# Allegro board IMX28x_TEST_V10A.brd (continued)
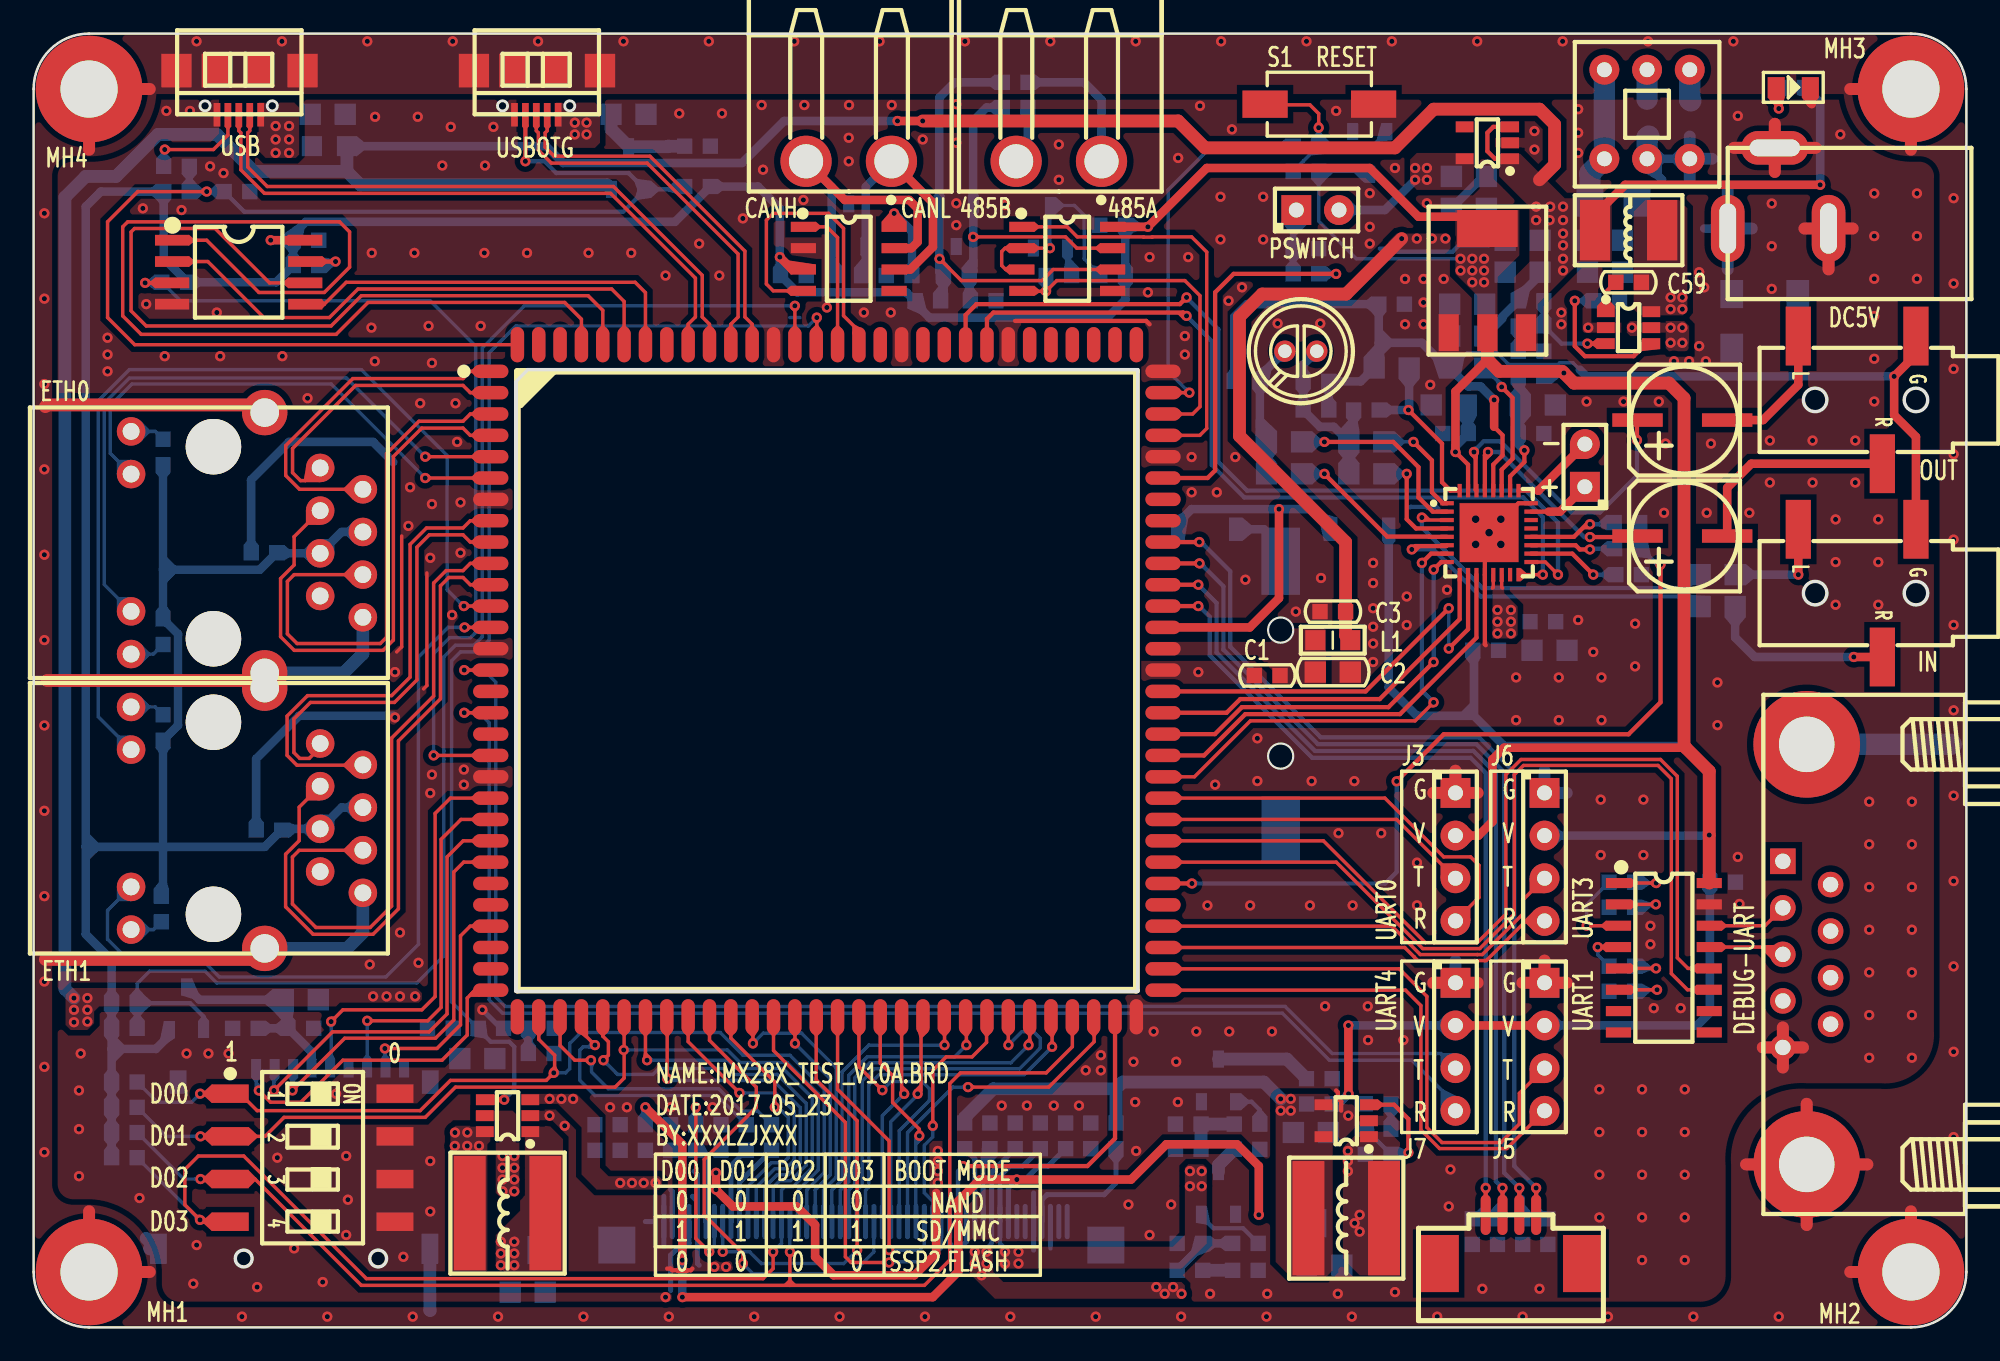
[diagram p0: board, top side]
## Nets (continued)
LCD_D19: J1.32 U1.48(LCD_D19/GPIO1_19)
LCD_D20: J1.31 U1.58(LCD_D20/GPIO1_20)
LCD_D21: J1.30 U1.47(LCD_D21/GPIO1_21)
LCD_D22: J1.29 U1.50(LCD_D22/GPIO1_22)
LCD_D23: J1.28 U1.49(LCD_D23/GPIO1_23)
LCD_DOTCLK: J1.37 U1.59(LCD_DOTCLK)
LCD_ENABLE: J1.9 U1.45(LCD_DEN)
LCD_HSYNC: R61.2 U1.33(LCD_HSYNC)
LCD_MODE: J1.8 R21.1
LCD_VSYNC: R60.2 U1.34(LCD_VSYNC)
LOUT2: J12.2 U14.25(LOUT2)
LRADC2: C15.2 J2.1(X+) U1.82(LRADC2/TP_XP)
LRADC3: C14.2 J2.2(Y+) U1.81(LRADC3/TP_YP)
LRADC4: C13.2 J2.3(X-) U1.80(LRADC4/TP_XM)
LRADC5: C12.2 J2.4(Y-) U1.79(LRADC5/TP_YM)
PSWITCH: R59.1 U1.85(PSWITCH)
PWM_AUDIO: C51.2 C54.2 U1.66(AUART3_RTS/CAN1_RX/GPIO3_15)
RESETN: R57.1 U1.89(MANUAL_RESETN)
ROUT2: J12.1 U14.23(ROUT2)
SAIF0_BITCLK: U1.73(SAIF0_BITCLK/PWM_5/AUART4_RX) U14.8(BCLK)
SAIF0_LRCLK: U1.71(SAIF0_LRCLK/PWM_4/GPIO3_21) U14.7(LRC)
SAIF0_MCLK: U1.72(SAIF0_MCLK/PWM_3/GPIO3_20) U14.11(MCLK)
SAIF0_SDATA0: U1.75(SAIF0_SDATA0/PWM_6/AUART4_TX) U14.10(DACDAT)
SAIF0_SDATA1: U1.74(SAIF0_SDATA1/PWM_7/GPIO3_26) U14.9(ADCDAT)
SD0_CLK: U1.21(SD0_CLK/GPIO2_10) U9.5(CLK)
SD0_CMD: U1.24(SD0_CMD/GPIO2_8) U9.3(CMD)
SD0_DATA0: U1.22(SD0_DATA0/GPIO2_0) U9.7(DAT0)
SD0_DATA1: U1.27(SD0_DATA1/GPIO2_1) U9.8(DAT1)
SD0_DATA2: U1.30(SD0_DATA2/GPIO2_2) U9.1(DAT2)
SD0_DATA3: U1.23(SD0_DATA3/GPIO2_3) U9.2(DAT3)
SD0_PWR_EN: C30.1 Q2.1(G) R34.1 U1.107(PWM4/GPIO3_29)
SSP2_MISO: U1.115(SSP2_MISO/GPIO2_18) U10.2(DO)
SSP2_MOSI: U1.114(SSP2_MOSI/GPIO2_17) U10.5(DI)
SSP2_SCK: U1.116(SSP2_SCK/GPIO2_16) U10.6(CLK)
SSP2_SS0: U1.117(SSP2_SS0/GPIO2_19) U10.1(C\S\)
U/D: J1.40 R24.2
UART0_RXD: J3.4 U1.70(AUART0_RX/I2C0_SCL/GPIO3_0)
UART0_TXD: J3.3 U1.69(AUART0_TX/I2C0_SDA/GPIO3_1)
UART1_RXD: J5.4 U1.61(AUART1_RX/PWM0/GPIO3_4)
UART1_TXD: J5.3 U1.62(AUART1_TX/PWM1/GPIO3_5)
UART2_RXD: U1.87(AUART2_RX/GPIO3_8) U6.1(RO)
UART2_TXD: R30.1 U1.88(AUART2_TX/GPIO3_9) U6.4(DI)
UART3_RXD: J6.4 U1.63(AUART3_RX/CAN0_TX/GPIO3_12)
UART3_TXD: J6.3 U1.64(AUART3_TX/CAN0_RX/GPIO3_13)
UART4_RXD: J7.4 U1.17(AUART4_RX/AUART0_CTS/GPIO3_2)
UART4_TXD: J7.3 U1.15(AUART4_TX/AUART0_RTS/GPIO3_3)
USB_DM: U1.111(USB_1_DM) USB1.2(D-)
USB_DP: U1.112(USB_1_DP) USB1.3(D+)
USBOTG_DM: U1.109(USB_0_DM) USB2.2(D-)
USBOTG_DP: U1.110(USB_0_DP) USB2.3(D+)
USBOTG_ID: Q3.1(G) R36.2 R37.1 R38.1 R39.1 U1.120(USB_0_ID) USB2.4(ID)
USBOTG_VBUS: C34.1 Q3.3(D) R40.2 USB2.1(VBUS)
V_LED+: C5.1 C21.2 D3.2(CATHODE) J1.1 J1.2 U2.5(OV)
V_LED-: J1.3 J1.4 R7.2 R8.2 U2.3(FB)
V_LED_L: D3.1(ANODE) L2.2 U2.1(SW)
VCOM: C20.2 C22.2 J1.6 J1.46 R19.1 R23.2
VGH: C9.2 C18.2 J1.41 R13.1 R14.2
VGL: C7.2 C19.2 J1.42 R11.1 R12.2
N13700908: R36.1 USB1.4(ID)
N13770851: C33.2 L4.2(B) USB1.1(VBUS)
N13785961: R1.2 R57.2 S1.1 U23.2(R\S\T\)
N16209172: J10.9(R1_YC_GA) R43.2
N16209176: J10.12(L1_YA_GC) R44.2
N16267355: BAT1.1 D9.1(ANODE)
N16371192: C23.1 U4.1(C1+)
N16371196: C27.2 U4.5(C2-)
N16371208: C27.1 U4.4(C2+)
N16371212: C23.2 U4.3(C1-)
N16371216: J4.3 U4.13(RIN1)
N16371228: J4.2 U4.14(TOUT1)
N16371252: C25.2 U4.6(V-)
N16774335: J11.9(R1_YC_GA) R45.2
N16774339: J11.12(L1_YA_GC) R46.2
N16775756: C45.1 C46.1 R50.1 U14.26(SPKVDD)
N16775832: C51.1 U14.20(AUXR)
N16775856: C54.1 U14.19(AUXL)
N16775910: R51.1 U14.18(MODE)
N16775940: C55.1 C56.1 R52.1 U14.13(DCVDD) U14.14(DBVDD)
N16776264: C53.1 U14.6(R2/GPIO3)
N16776268: C52.1 U14.5(RIN)
N16776300: C50.1 U14.4(RIP)
N16776312: C49.1 U14.3(L2/GPIO2)
N16776324: C48.1 U14.2(LIN)
N16776336: C47.1 U14.1(LIP)
N16776356: C49.2 U13.2(L)
N16776368: C53.2 U13.1(R)
N16776380: C42.1 C47.2 C50.2 R47.1 R48.2 U12.1(+)
N16776396: C48.2 C52.2 R49.1 U12.2(-)
N16776472: C38.2 U11.1(R)
N16776476: C39.2 U11.2(L)
N16776480: C38.1 U14.29(ROUT1)
N16776488: C39.1 U14.30(LOUT1)
N16776536: C44.2 U14.27(VMID)
N16776624: C43.1 R47.2 U14.32(MICBIAS)
N16777489: R42.1 U10.7(H\O\L\D\)
N16783317: Q1.3(C) R28.1 U6.2(R\E\) U6.3(DE)
N16783369: R27.1 R29.2 R31.2 U5.1 U6.6(A)
N16783371: R25.1 R26.2 R27.2 U5.2 U6.7(B)
N16783519: R32.2 U7.8(RS)
N16786400: J1.10 R60.1
N16786402: J1.11 R61.1
N16794842: C6.2 C8.2 D6.1(ANODE) L3.2 U3.1(LX)
N16795033: R17.1 R18.2
N16795278: R16.1 R17.2 U3.3(FB)
N16795987: R14.1 R15.2
N16796266: D5.2 R13.2
N16797229: D4.1 R11.2
N16798591: D7.2(CATHODE) DC1.1 U15.1 U15.2 U15.5 U15.6
N16798604: C57.1 C58.1 F1.2 R55.2 U16.5(VIN)
N16798618: C59.1 D8.2(CATHODE) L5.1(A) U16.6(SW)
N16798622: R54.2 R56.1 U16.3(FB)
N16798699: C59.2 U16.1(BST)
N16798719: R55.1 U16.4(EN)
N16798977: R53.2 R54.1
N16799346: F1.1 U15.3 U15.4
N16804520: J13.1 R58.1 R59.2
N16806519: D10.1(ANODE) R72.1
N163713028: C24.2 U4.2(V+)
N167832841: Q1.1(B) R30.2
N167955290: C8.1 D5.3
N167971860: C6.1 D4.3

Pads without a net: J1 44 45 49 50; J4 1 4 6 7 8 9; J10 7; J11 7; U1 16 18 25 26 28 29 31 65 83 84 91 92 93 94 95 96 100 101 103 113 118 119; U4 7 8 9 10; U7 5; U9 9 10 13; U14 15 21 22; U20 4

## Via types
v1: diameter 0.61, hole 0.305, TOP to BOTTOM, 611 vias
v2: diameter 0.762, hole 0.457, TOP to BOTTOM, 5 vias

## Routing (per net, layer and track width the routed paths; a pad name or vN(x,y) marks a point on that pad's centre or on a via; arc(x,y) is an arc through that point)
AGND: length 75.6
  TOP w0.254: U14.28 86.85,51.35 87.4,51.9 87.4,53.1 86.9,53.6
  TOP w0.508: v1(86.9,55.2) 86.9,53.6 ; U13.3 112,53 110.7,54.3 v1(110.7,56.6) 112,57.9 U11.3
  BOTTOM w0.203: 92,57 91.59,57.41 90.8,57.41 90.7,57.31 87.76,57.31 87.07,58 85.3,58 84.4,57.1 C44.1
  BOTTOM w0.508: 80.04,58.6 R75.2 72.2,60.9 71.44,60.14 R49.2 ; 80.04,58.6 82.6,58.6 84.1,57.1 C44.1 85.36,56 86.1,56 v1(86.9,55.2) ; 80.04,58.6 80.04,57.38 C43.2 78.96,56.3 C42.2 R48.1 ; 92,57 92.4,56.6 v1(110.7,56.6)
AVDD: length 63.6
  TOP w0.508: v1(72.9,6.7) 72.9,9.6 71.6,10.9 67.4,10.9 65.3,8.8 v1(58.5,8.8) 56.3,8.8 55.02,7.52 55.02,3.32 53.5,1.8 v1(38.6,1.8) ; v1(38.6,4) 38.6,10.9 v1(36.4,13.1)
  BOTTOM w0.3: C16.2 60.36,9.6 59.8,9.6 59,8.8 v1(58.5,8.8) 58,8.3 J1.43
  BOTTOM w0.508: R19.2 v1(36.4,13.1) ; v1(38.6,4) v1(38.6,1.8)
GND: length 142.1
  TOP w0.203: 21.6,40.2 21.9,40.5 21.9,47.1 ; 23.2,38 23.4,38.2 23.4,44.9
  TOP w0.254: U14.24 88.35,49.05 v2(86.6,47.3) 86.6,46.5 86.35,46.25 U14.12 86.35,40.65 86.4,40.6 ; 58.4,59.9 66.2,59.9 66.4,59.7 ; 77.8,12.9 77.8,13.44 77.61,13.64 77.61,13.99 77.5,14.1 ; 39.2,3.5 39.1,3.4 38.9,3.4 38.86,3.37 38.34,3.37 38.3,3.4 38,3.4 37.9,3.5 37.7,3.5
  TOP w0.508: 105.8,72.8 105.72,72.88 D10.2
  TOP w0.711: J3.1 84.6,33.13 ; J3.1 83.28,31.81 ; J3.1 85.92,31.81 ; J5.1 91.22,20.51 ; J5.1 89.9,21.83 ; J5.1 88.58,20.51 ; 106.8,62.97 DC1.2 ; DC1.2 105.37,65.4 ; DC1.2 108.23,65.4 ; DC1.3 106.03,70.2 ; DC1.3 101.17,70.2 ; DC1.3 103.6,71.63 ; DC1.3 103.6,68.77 ; J4.5 104.08,17.85 ; J4.5 104.08,15.47 ; J4.5 105.27,16.66 ; J4.5 102.89,16.66 ; 83.28,20.51 J7.1 85.92,20.51
  BOTTOM w0.203: 45,60.1 45.6,60.1
  BOTTOM w0.254: 86.67,64.5 86.57,64.4 84.8,64.4 84.42,64.02 80.88,64.02 80.7,64.2 80.1,64.2 ; 38.2,4.6 38.4,4.8 38.8,4.8 ; 83.6,48.7 83.47,48.84 82.86,48.84 ; 82.86,48.84 81.94,48.84 81.9,48.8 ; 82.86,48.84 82.9,48.8 83.4,48.8 ; 55.2,4.8 55.3,4.9 ; 60.5,4.7 60.5,4.9
  BOTTOM w0.3: 60.5,4.9 J1.48 ; J1.5 39,5 38.8,4.8 ; 38.2,4.6 37.9,4.3 37.9,2.2 ; R6.1 27.8,17.8 v1(26.7,18.9) ; 55.3,4.9 55.5,5.1 J1.38 ; J1.36 54.5,5 54.6,4.9
  BOTTOM w0.508: C36.1 12.94,50.44 15.2,52.7 20.2,52.7 21.4,51.5 ; C37.1 13.24,33.84 15.8,36.4 21.4,36.4 v1(21.5,36.3) ; C65.2 86.26,68.5 C64.2
  BOTTOM w0.711: 103.6,68.77 DC1.3 ; DC1.3 101.17,70.2 ; DC1.3 103.6,71.63 ; DC1.2 108.23,65.4 ; DC1.2 105.37,65.4 ; DC1.2 106.8,62.97 ; 83.28,31.81 J3.1 84.6,33.13 ; 83.28,20.51 J7.1 84.6,21.83 ; 91.22,31.81 J6.1 89.9,33.13 ; 102.89,16.66 J4.5 ; J4.5 104.08,15.47 ; J4.5 105.27,16.66 ; J4.5 104.08,17.85 ; 91.22,20.51 J5.1 89.9,21.83
  vias: v1(2.7,14.1) v1(2.7,11.8) v1(2.7,9) v1(2.8,16.3) v1(4.4,58.9) v1(4.4,57.9) v1(4.4,56.9) v1(6.3,7.7) v1(6.5,66.6) v1(6.7,60.9) v1(7.8,57.8) v1(7.9,72.4) v1(8.8,66.5) v1(9.1,16.3) v1(9.3,72.4) v1(9.5,2.6) v1(9.7,4.9) v1(10.4,16.3) v1(10.5,69.1) v1(10.9,60.4) v1(11.1,57.8) v1(11.3,68.7) v1(11.6,16.3) v1(13.3,2.4) v1(14.5,10.1) v1(14.8,57.8) v1(15.5,4.7) v1(16.3,55.3) v1(17.2,2.7) v1(18,13.9) v1(18.6,10.2) v1(18.6,5.5) v1(18.7,7.6) v1(20,21.6) v1(20.12,63.95) v1(20.1,59.5) v1(20.32,72.05) v1(20.3,57.5) v1(21.5,39) v1(21.8,23.5) v1(22,4.2) v1(22.3,47.7) v1(22.4,50) v1(22.66,63.95) v1(22.86,72.05) v1(22.9,21.7) v1(23,55) v1(23.5,59.6) v1(23.6,45.8) v1(23.6,31.8) v1(23.6,9.9) v1(23.6,6.9) v1(23.7,57.4) v1(23.7,49) v1(23.7,32.9) v1(24.32,69.15) v1(24.82,71.45) v1(24.9,42.4) v1(25.1,55) v1(25.2,52.7) v1(25.4,49.1) v1(25.4,46.1) v1(25.6,33.2) v1(25.6,32.3) v1(26.6,59.6) v1(26.82,63.95) v1(26.86,69.15) v1(27.36,71.45) v1(29.36,63.95) v1(30.7,12.6) v1(31.6,12) v1(33.02,63.95) v1(34.3,13.1) v1(35.3,13.1) v1(35.56,63.95) v1(37.6,62.6) v1(37.6,1.8) v1(37.9,13.1) v1(38.42,72.25) v1(39.6,64.5) v1(40.4,13.1) v1(40.5,3.6) v1(40.8,62.6) v1(40.96,72.25) v1(41.2,3.6) v1(42.2,66) v1(43.32,72.75) v1(43.4,68.9) v1(45.8,67.1) v1(45.86,72.75) v1(47.2,60.7) v1(48.52,72.75) v1(48.5,70.8) v1(48.5,69.4) v1(49.4,60.4) v1(51,60.4) v1(51.06,72.75) v1(52.9,70.7) v1(54.9,72.8) v1(54.9,70.5) v1(54.9,66.9) v1(54.9,65.6) v1(57.6,13.2) v1(57.8,66.8) v1(59.1,13.2) v1(60.7,13.2) v1(61,70.4) v1(61,68.3) v1(62.2,13.2) v1(62.6,15.3) v1(63.5,16.2) v1(63.5,15.3) v1(65.14,7.31) v1(65.44,15.81) v1(65.54,13.41) v1(65.6,10.5) v1(66.3,61.6) v1(66.4,63.7) v1(66.4,5.5) v1(66.64,17.61) v1(67.68,7.31) v1(67.98,15.81) v1(68.1,69.6) v1(68.08,13.41) v1(68.5,59) v1(68.5,57.9) v1(68.7,63.7) v1(68.9,51.8) v1(68.9,49.7) v1(69.18,17.61) v1(69.3,39) v1(69.4,72.7) v1(69.84,25.11) v1(70,2) v1(70.3,32.3) v1(70.4,49.7) v1(70.62,67.29) v1(70.62,64.75) v1(71.1,61.1) v1(71.14,17.61) v1(71.3,71.3) v1(71.5,51.8) v1(71.9,61.9) v1(72.1,44.5) v1(72.38,25.11) v1(72.81,35.06) v1(72.81,32.52) v1(73.16,67.29) v1(73.16,64.75) v1(73.4,2) v1(73.68,17.61) v1(74.02,59.75) v1(75.1,42.6) v1(75.94,25.11) v1(76.04,32.51) v1(76.56,59.75) v1(76.6,44.6) v1(76.84,19.11) v1(77.5,72.4) v1(77.64,29.41) v1(77.6,2) v1(78.22,12.6) v1(78.48,25.11) v1(78.58,32.51) v1(79.38,19.11) v1(79.4,17.1) v1(79.5,67.5) v1(79.5,65.5) v1(79.5,64.5) v1(79.7,45.5) v1(79.7,44.3) v1(79.7,42.8) v1(79.7,41.7) v1(79.7,40.7) v1(79.7,39.6) v1(80.18,29.41) v1(81,69) v1(81,2.1) v1(81.5,17.1) v1(81.6,62.4) v1(81.6,59.7) v1(81.7,43.5) v1(81.7,41.8) v1(82.31,27.66) v1(82.31,25.12) v1(82.7,62.4) v1(82.7,61) v1(82.7,59.7) v1(82.9,66.9) v1(83.1,56.1) v1(83.9,62.4) v1(84.1,43.9) v1(84.2,7.2) v1(84.3,9.4) v1(86.2,2.3) v1(88.21,38.68) v1(88.21,36.14) v1(89.3,71.2) v1(89.3,70.1) v1(89.6,2.3) v1(90.75,38.68) v1(90.75,36.14) v1(90.9,60.4) v1(90.9,59.7) v1(91.9,72.5) v1(91.9,71.1) v1(91.9,69.9) v1(91.9,42.1) v1(92.4,55.1) v1(92.5,59.5) v1(92.8,40.2) v1(93.24,31.41) v1(93.24,28.11) v1(93.16,14.17) v1(93.16,11.63) v1(93.16,9.09) v1(93.16,6.55) v1(93.29,38.68) v1(93.29,36.14) v1(94.6,55.1) v1(95.29,41.88) v1(95.29,39.34) v1(95.7,14.17) v1(95.7,11.63) v1(95.7,9.09) v1(95.7,6.55) v1(95.7,4.01) v1(95.78,31.41) v1(95.78,28.11) v1(96.2,23.9) v1(96.2,22.8) v1(96.4,19) v1(96.7,55.1) v1(97.01,48.48) v1(97.1,52.6) v1(97.6,57.5) v1(98,19) v1(98.24,14.17) v1(98.24,11.63) v1(98.24,9.09) v1(98.24,6.55) v1(98.24,4.01) v1(98.5,57.5) v1(99.1,62.8) v1(99.1,58.4) v1(99.4,61.9) v1(99.5,57.5) v1(99.55,48.48) v1(99.8,52.6) v1(100.19,38.38) v1(100.19,35.84) v1(101.4,72.1) v1(101.4,28) v1(101.5,25.2) v1(102.09,48.48) v1(103.31,52.78) v1(103.31,50.28) v1(103.42,66.89) v1(103.42,64.35) v1(103.42,61.81) v1(105.85,52.78) v1(105.85,50.28) v1(107.22,48.09) v1(107.22,45.55) v1(107.22,43.01) v1(107.5,71) v1(108.39,52.78) v1(108.39,50.28) v1(109.22,31.29) v1(109.22,28.75) v1(109.22,26.21) v1(109.22,23.67) v1(109.22,21.13) v1(109.22,18.59) v1(109.22,16.05) v1(109.52,67.49) v1(109.52,64.95) v1(109.52,62.41) v1(109.52,60.19) v1(109.52,57.65) v1(109.52,55.11) v1(109.76,48.09) v1(109.76,45.55) v1(109.76,43.01) v1(111.76,31.29) v1(111.76,28.75) v1(111.76,26.21) v1(111.76,23.67) v1(111.76,21.13) v1(111.76,18.59) v1(111.76,16.05) v1(112.06,67.49) v1(112.06,64.95) v1(112.06,62.41) v2(85.8,48.1) v2(85.8,46.6) v2(87.3,48.1) v2(87.3,46.6)
GND_EARTH: length 158
  TOP w0.711: 111.7,6.91 MH2.1 108.09,3.3 ; J4.10 105.5,13.31 ; J4.10 109.11,9.7 ; J4.10 101.89,9.7 ; J4.10 105.5,6.09 ; 3.3,6.91 MH1.1 6.91,3.3 ; 6.91,73.7 MH4.1 3.3,70.09 ; 111.7,70.09 MH3.1 108.09,73.7
  TOP w0.762: J11.13 J10.14 13.29,38.5 0.8,38.5 ; J10.13 13.29,54.9 0.8,54.9 0.7,54.8 ; 0.7,21.9 13.1,21.9 J11.14
  BOTTOM w0.711: 108.09,3.3 MH2.1 111.7,6.91 ; J4.10 105.5,13.31 ; J4.10 105.5,6.09 ; J4.10 109.11,9.7 ; J4.10 101.89,9.7 ; 6.91,73.7 MH4.1 3.3,70.09 ; 6.91,3.3 MH1.1 3.3,6.91 ; 108.09,73.7 MH3.1 111.7,70.09
  BOTTOM w0.762: U9.11 23.57,1.03 23.6,1 ; 7.32,4.68 6.92,4.68 6.9,4.7 ; 7.32,4.68 U9.12 ; 7.32,4.68 6.7,5.3 ; J10.8 19.59,40.09 18.45,38.95 J10.14 ; J11.8 19.59,23.49 18.66,22.55 J11.14
  BOTTOM w1.27: J4.11 114.1,34.7
  vias: v1(0.64,66.31) v1(0.64,61.23) v1(0.64,56.15) v1(0.64,51.07) v1(0.64,45.99) v1(0.64,40.91) v1(0.64,35.83) v1(0.64,30.75) v1(0.64,25.67) v1(0.64,20.59) v1(0.64,15.51) v1(0.64,10.43) v1(9.69,76.54) v1(12.39,0.64) v1(14.77,76.54) v1(17.47,0.64) v1(19.85,76.54) v1(22.55,0.64) v1(24.93,76.54) v1(27.63,0.64) v1(30.01,76.54) v1(32.71,0.64) v1(35.09,76.54) v1(37.79,0.64) v1(40.17,76.54) v1(42.87,0.64) v1(45.25,76.54) v1(47.95,0.64) v1(50.33,76.54) v1(53.03,0.64) v1(55.41,76.54) v1(58.11,0.64) v1(60.49,76.54) v1(63.19,0.64) v1(65.57,76.54) v1(68.27,0.64) v1(70.65,76.54) v1(73.35,0.64) v1(75.73,76.54) v1(78.43,0.64) v1(80.81,76.54) v1(83.51,0.64) v1(85.89,76.54) v1(88.59,0.64) v1(90.97,76.54) v1(93.67,0.64) v1(96.05,76.54) v1(98.75,0.64) v1(101.13,76.54) v1(103.83,0.64) v1(114.24,67.21) v1(114.24,62.13) v1(114.24,57.05) v1(114.24,51.97) v1(114.24,46.89) v1(114.24,41.81) v1(114.24,36.73) v1(114.24,31.65) v1(114.24,26.57) v1(114.24,21.49) v1(114.24,16.41) v1(114.24,11.33)
VCC_2.5V_OUT: length 5.3
  BOTTOM w0.508: J13.2 80.4,66.5 v1(82.2,68.3)
  vias: v1(82.2,69) v1(82.9,69) v1(82.9,68.3)
VCC_3.3V_OUT: length 407.9
  TOP w0.254: v1(84.6,52.1) 85.35,51.35 U14.31
  TOP w0.508: 98.3,34.5 87.5,34.5 86.8,33.8 86.8,30.1 85.97,29.27 J3.2 ; U7.3 45.14,62.96 v1(44.4,63.7) ; v1(84.6,52.1) 84.6,55.7 86.5,57.6 ; v1(78.23,17.97) 78.23,13.91 v1(78.24,13.9) ; J7.2 J5.2 ; U6.8 v1(66.3,65.5) 69.8,69 79.5,69 82.4,66.1 85.8,66.1 U17.4 85.8,64.7 ; U10.8 v1(14.11,64.7)
  TOP w0.762: U4.16 v1(99.7,29.3) 99.7,33.1 98.2,34.6 98.2,55.3 97.3,56.2 91.65,56.2 v1(91.05,56.8) 90.95,56.9 87.2,56.9 86.5,57.6 U17.2
  BOTTOM w0.203: v1(84.9,63.6) 78.7,63.6 76.46,65.84 R1.1 79.33,68.8 U23.3
  BOTTOM w0.508: v1(66.3,65.5) 65.06,65.5 C28.1 R28.2 64.96,61.16 63.9,60.1 53.3,60.1 52.44,60.96 R31.1 51.94,61.6 45.44,61.6 C29.1 44.4,62.64 v1(44.4,63.7) 44.4,66.6 43.1,67.9 R39.2 38.16,65.8 16.2,65.8 15.44,65.04 C35.2 ; v1(84.6,52.1) 84.6,52.44 C41.1 85.36,54.78 C40.1 ; C35.2 R42.2 14.44,62.2 R41.2 7.74,63.62 R38.2 4,67.6 3.1,66.7 3.1,28.6 ; C35.2 15.43,64.7 v1(14.11,64.7) ; 7.7,28.6 3.1,28.6 ; 7.7,28.6 R45.1 8.59,35.83 8.59,41.27 R44.1 7.7,45.1 ; 7.7,28.6 7.7,25.76 R46.1 ; 7.7,28.6 13.76,28.6 C37.2 14.83,29.67 J11.5 18.32,30.94 J11.4 ; 3.1,28.6 3.1,23.4 4.64,21.86 R34.2 C30.2 4.64,16.57 ; 85.7,36.4 87.5,34.6 98.2,34.6 99.7,33.1 v1(99.7,29.3) ; 85.7,36.4 85.7,40.24 R52.2 ; 85.7,36.4 82.3,36.4 80.63,38.07 D2.1 ; R5.2 R4.2 R3.2 R2.2 4.64,16.57 ; Q2.2 8.08,17.38 7.27,16.57 4.64,16.57 ; v1(99.7,29.3) 99.67,29.27 J6.2 ; v1(99.7,29.3) 99.7,26.54 C26.2 99.74,18.74 98.97,17.97 J5.2 ; 7.7,45.1 13.46,45.1 C36.2 14.49,46.07 J10.5 18.32,47.34 J10.4 ; 7.7,45.1 R43.1 ; J7.2 v1(78.23,17.97) ; R50.2 90.06,56.8 v1(91.05,56.8) ; v1(78.24,13.9) 77.64,13.3 R74.2
  vias: v1(84.9,62.9) v1(85.6,63.6) v1(85.6,62.9) v1(85.6,62.2) v1(86.3,63.6) v1(86.3,62.9) v1(86.3,62.2)
VCC_3.8V_OUT: length 229.5
  TOP w0.254: 87.8,69.6 U20.1 86.95,69.55 86.5,70 86.5,71.1 86.85,71.45 U20.3
  TOP w0.508: v1(106.3,68) 94.7,68 92.9,66.2 L5.2 ; v1(51.4,71.8) v1(52.9,71.8)
  TOP w0.762: L1.2 78.06,41.18 C3.2 78.06,46.74 71.75,53.05 71.75,60.15 73.1,61.5 78.1,61.5 v1(81.4,64.8) ; v1(52.9,71.8) 68.1,71.8 69.7,70.2 81,70.2 83.3,72.5 89.6,72.5 90.5,71.6 90.5,69.2 89.6,68.3
  BOTTOM w0.508: R72.2 105.4,73.8 106.3,72.9 v1(106.3,68) ; C62.1 87.38,60.04 87.38,60.14 R56.2 88.34,61.34 89.64,62.64 C61.1 ; L4.1 30.5,70.3 31.5,69.3 42.16,69.3 44.66,71.8 v1(51.4,71.8) v1(52.9,71.8)
  BOTTOM w0.762: 18.64,68.8 19.44,68 34.11,68 Q3.2 ; 18.64,68.8 13.1,68.8 10.9,71 7.4,71 4.9,68.5 3.1,68.5 1.86,67.26 1.86,20.14 v1(2.4,19.6) ; 18.64,68.8 L4.1
  vias: v1(2.4,18.9) v1(2.4,18.16) v1(3.2,19.6) v1(3.2,18.9) v1(3.2,18.2) v1(20.2,19.7) v1(21,19.7) v1(21.8,19.7) v1(22.7,19.7) v1(82.3,64.8) v1(83.2,64.8) v1(84,64.8) v1(89.4,66.7) v1(89.4,65.9) v1(90.24,66.7) v1(90.2,65.9) v1(91,66.7) v1(91,65.9) v1(91,65.1) v1(91,64.4) v1(91,63.6) v1(91,62.9)
VCC_RTC: length 23.4
  TOP w0.508: v1(74.1,48.7) 74.1,43.4 72.36,41.66 U1.78
  BOTTOM w0.508: 68.07,47.5 68.07,47.87 68.9,48.7 v1(74.1,48.7) 76.2,48.7 77.17,47.73 D2.2
VCC_SD: length 12.6
  BOTTOM w0.508: Q2.3 9.87,19.5 C31.1 15.14,19.22 C32.2 ; R35.2 C32.2 ; C32.2 16.54,16.4 U9.4
VDD_3P3V: length 48.6
  TOP w0.508: 53.7,8 53.7,4.4 52.4,3.1 47.6,3.1 46.5,4.2 46.5,6.1 45.4,7.2 41.6,7.2 v1(40.6,8.2) v1(40.6,9.2)
  BOTTOM w0.3: J1.7 40,10.34 39.8,10.54 R21.2
  BOTTOM w0.762: v1(74.2,13.6) 73.2,14.6 64.8,14.6 64.4,14.2 ; 64.4,14.2 R22.2 ; 64.4,14.2 57.1,14.2 55.4,12.5 R20.2
  vias: v1(53.8,10.5) v1(53.8,9.9) v1(53.8,9.3) v1(53.8,8.6) v1(74.2,12.9) v1(74.8,13.6) v1(74.8,12.9)
VDD_5V:
  vias: v1(25.07,11.6) v1(25.06,10.8) v1(25.81,11.6) v1(25.8,10.8) v1(26.5,10.8)
485_A: length 8.5
  BOTTOM w0.508: J8.1 63.54,73.06 62.5,74.1 R29.1
485_B: length 3.5
  BOTTOM w0.508: R26.1 59.16,70.1 J8.2
BACKLIGHT_PWM: length 71.6
  TOP w0.203: U1.106 46.6,58.52 v1(46.6,60.1)
  TOP w0.254: U2.4 v1(28,13.55)
  BOTTOM w0.203: v1(46.6,60.1) 46.1,59.6 28.7,59.6 27.1,58 27.1,40.9 26.4,40.2 25.4,40.2 24.87,39.67 24.87,19.37 R6.2
  BOTTOM w0.254: R6.2 26.44,17.76 27.2,17 28.3,17 28.6,16.7 28.6,14.15 v1(28,13.55)
CAN1_RX: length 18.6
  TOP w0.203: U7.4 44.01,61.69 43.6,62.1 43.6,65.9 44,66.3 47.3,66.3 48.19,65.41 48.19,60.21 49.1,59.3 49.1,58.48
CAN1_TX: length 8.7
  TOP w0.203: U1.105 47.84,64.86 47.2,65.5 U7.1
CAN_H: length 18.9
  TOP w0.508: J9.2 48.26,67.1 52.09,67.1 52.6,66.59 52.6,64.6 52.23,64.23 U7.7
  BOTTOM w0.508: R33.2 47.48,62.85 U8.2 47.48,67.88 J9.2
CAN_L: length 16.5
  TOP w0.508: J9.1 53.51,66.93 53.51,64.31 52.17,62.96 U7.6
  BOTTOM w0.508: R33.1 49.52,62.85 U8.1 49.52,67.88 J9.1
DITHER: length 8.2
  BOTTOM w0.3: J1.47 60,7.6 60.3,7.9 63.7,7.9 64.4,8.6 R22.1
DUART_RXD: length 55.9
  TOP w0.203: U1.68 76.74,28.96 82.8,22.9 85.9,22.9 87.6,24.6 87.6,32.9 88.5,33.8 96.8,33.8 97.8,32.8 97.8,22 98.44,21.36 U4.12
DUART_TXD: length 56.3
  TOP w0.203: U4.11 98.41,20.09 97.44,21.06 97.44,32.65 96.65,33.44 88.65,33.44 88.1,32.9 88.1,24.6 86.05,22.54 82.65,22.54 77.51,27.69 U1.67
ENET0_ACT: length 38.6
  TOP w0.203: U1.5 v1(23.3,51.82)
  BOTTOM w0.203: J10.11 4.2,44.22 4.2,55 5.7,56.5 18.62,56.5 v1(23.3,51.82)
ENET0_LINK: length 30.1
  TOP w0.203: U1.6 v1(23.3,50.55)
  BOTTOM w0.203: 5.8,50.78 4.56,52.03 4.56,54.85 5.85,56.14 17.71,56.14 v1(23.3,50.55)
ENET1_ACT: length 46.1
  TOP w0.203: U1.13 v1(25.64,41.66)
  BOTTOM w0.203: v1(25.64,41.66) 24.66,41.66 22.9,39.9 22.9,22.8 20.96,20.86 11.05,20.86 10.05,21.86 5.64,21.86 4.4,23.1 4.4,24.82 J11.11
ENET1_LINK: length 56.2
  TOP w0.203: U1.12 v1(25.6,42.93)
  BOTTOM w0.203: J11.10 3.84,36.34 3.84,55.15 5.7,57 19.5,57 24.6,51.9 24.6,43.9 25.57,42.93 v1(25.6,42.93)
ETH0_RXN: length 32.2
  TOP w0.203: U1.3 25.98,54.36 25.55,53.93 22.93,53.93 21,52 21,41.07 20.63,40.7 15.67,40.7 15.1,41.27 15.1,44.4 15.5,44.8 J10.6
ETH0_RXP: length 33.4
  TOP w0.203: J10.3 15.5,47.06 15.5,45.37 14.69,44.57 14.69,41.11 15.51,40.29 20.79,40.29 21.41,40.91 21.41,51.83 23.1,53.52 25.55,53.52 25.98,53.09 U1.4
ETH0_TXN: length 20.7
  TOP w0.203: J10.2 15.82,49.88 15,50.7 15,52.47 18.99,56.47 25.55,56.47 25.98,56.9 U1.1
ETH0_TXP: length 17.1
  TOP w0.203: U1.2 25.98,55.63 25.55,56.06 19.16,56.06 15.41,52.31 15.41,50.87 15.88,50.4 16.17,50.4 16.92,51.15 J10.1
ETH1_RXN: length 38.3
  TOP w0.203: U1.10 25.98,45.47 25.55,45.04 24.54,45.04 23.8,44.3 23.8,37.57 21.3,35.07 21.3,25.07 20.03,23.8 16.8,23.8 15.4,25.2 15.4,27.99 15.8,28.39 19.58,28.39 J11.6
ETH1_RXP: length 39.7
  TOP w0.203: U1.11 25.98,44.2 25.55,44.63 24.71,44.63 24.21,44.13 24.21,37.41 21.71,34.91 21.71,24.91 20.19,23.39 16.63,23.39 14.99,25.03 14.99,28.16 15.8,28.97 15.8,30.96 J11.3
ETH1_TXN: length 28.7
  TOP w0.203: U1.8 25.98,48.01 25.55,47.58 23.38,47.58 22.4,46.6 22.4,38.7 21.3,37.6 16.3,37.6 15.08,36.38 15.08,34.04 15.67,33.46 19.57,33.46 J11.2
ETH1_TXP: length 25.3
  TOP w0.203: U1.9 25.98,46.74 25.55,47.17 23.55,47.17 22.81,46.43 22.81,38.53 21.47,37.19 16.47,37.19 15.49,36.21 15.49,34.21 15.84,33.86 16.4,33.86 17.05,34.51 J11.1
FLASH_WPN: length 52.4
  TOP w0.203: U10.3 v1(6.63,62.16) ; U1.19 v1(23.8,34.04)
  BOTTOM w0.203: v1(23.8,34.04) 23.8,40.1 24.75,41.05 25.99,41.05 26.3,41.36 26.3,58.4 23.6,61.1 8.74,61.1 R41.1 7.6,62.16 v1(6.63,62.16)
I2C0_SCL: length 49
  TOP w0.203: U14.16 v1(89.8,44.8)
  TOP w0.254: v1(68.6,60.2) 68.4,60.4 57.11,60.4 56.73,60.02 U1.98
  BOTTOM w0.254: v1(89.8,44.8) 89.8,48.23 88.63,49.39 72.03,49.39 70.09,51.33 70.09,58.71 v1(68.6,60.2)
I2C0_SDA: length 52.6
  TOP w0.203: U14.17 89.95,45.55 v1(90.7,44.8)
  TOP w0.254: U1.99 55.45,60.26 56.1,60.9 68.2,60.9 v1(68.6,61.3)
  BOTTOM w0.254: v1(68.6,61.3) 70.5,59.4 70.5,51.5 72.2,49.8 88.8,49.8 90.7,47.9 v1(90.7,44.8)
L/R: length 4.6
  BOTTOM w0.3: R20.1 56,10.04 J1.39
LCD_D00: length 58.2
  TOP w0.203: U1.32 30.05,17.14 31,16.2 31,15.2 v1(30.95,15.15) 30.5,14.7 24.8,14.7 23,12.9 13.3,12.9 12.29,13.91 SW1.1 v1(9.91,13.91)
  BOTTOM w0.203: R2.1 7.36,13.4 9.4,13.4 v1(9.91,13.91) ; J1.19 46,8.18 47.03,9.22 47.03,14.17 45,16.2 42.2,16.2 40.85,17.55 32.55,17.55 31.9,16.9 31.9,15.4 31.65,15.15 v1(30.95,15.15)
LCD_D01: length 55.6
  TOP w0.203: 35.13,16.54 35.13,14.84 34.6,14.3 25.1,14.3 23.3,12.5 14.9,12.5 13.77,11.37 SW1.2 v1(9.93,11.37) ; 35.13,16.54 v1(35.11,16.51) ; 35.13,16.54 U1.36
  BOTTOM w0.203: J1.18 45.5,8.19 46.68,9.36 46.68,13.92 44.83,15.77 42.03,15.77 41.29,16.51 v1(35.11,16.51) ; R3.1 7.89,11.37 v1(9.93,11.37)
LCD_D02: length 77
  TOP w0.203: v1(45,4.5) 45,2.5 ; 45,2.5 53,2.5 54.51,4.01 54.51,14.51 55.15,15.15 60.25,15.15 61.8,16.7 U1.57 ; 45,2.5 19.5,2.5 13.17,8.83 SW1.3 v1(9.93,8.83)
  BOTTOM w0.203: R4.1 8.93,8.83 v1(9.93,8.83) ; J1.17 v1(45,4.5)
LCD_D03: length 73.9
  TOP w0.203: SW1.4 10.01,6.29 v1(9.9,6.4) 9,7.3 9,9.4 9.8,10.2 12.5,10.2 19.8,2.9 43.4,2.9 44,3.5 v1(44,4.5) ; U1.37 36.41,15.99 v1(36.5,15.9)
  BOTTOM w0.203: v1(44,4.5) 44.5,5 J1.16 44.5,8.18 44.7,8.38 45.19,8.38 46.32,9.51 46.32,13.68 44.59,15.41 41.79,15.41 41.3,15.9 v1(36.5,15.9) ; v1(9.9,6.4) 9.86,6.4 R5.1
LCD_D04: length 24.5
  TOP w0.203: v1(33.9,15.9) 34.2,16.2 34.2,17 33.87,17.34 U1.35
  BOTTOM w0.203: v1(33.9,15.9) 34.74,15.06 36.85,15.06 37.2,15.41 41.09,15.41 41.44,15.06 44.24,15.06 45.97,13.33 45.97,9.66 45.04,8.73 44.4,8.73 44,8.33 J1.15
LCD_D05: length 20.4
  TOP w0.203: v1(37.7,14.8) 37.7,18.46 U1.38
  BOTTOM w0.203: J1.14 43.5,8.34 44.25,9.09 44.89,9.09 45.61,9.81 45.61,13.09 44,14.7 37.8,14.7 v1(37.7,14.8)
LCD_D06: length 17.4
  TOP w0.203: v1(42,13.95) 38.95,17.01 U1.39
  BOTTOM w0.203: J1.13 43,8.34 44.1,9.44 44.75,9.44 45.26,9.95 45.26,12.84 44.15,13.95 v1(42,13.95)
LCD_D07: length 15.1
  TOP w0.203: U1.41 41.48,17.21 44.1,14.6 v1(44.1,13.1)
  BOTTOM w0.203: v1(44.1,13.1) 44.3,13.1 44.9,12.5 44.9,10.1 44.6,9.8 43.9,9.8 42.5,8.4 J1.12
LCD_D08: length 28.5
  TOP w0.203: v1(42.2,3.8) 42.2,4.4 39.9,6.7 39.9,10 43,13.1 43,14.3 40.22,17.09 U1.40
  BOTTOM w0.203: J1.27 50,4.5 48.7,3.2 42.8,3.2 v1(42.2,3.8)
LCD_D09: length 21.9
  TOP w0.203: v1(60.6,16.7) 60.6,18.42 U1.56
  BOTTOM w0.203: v1(60.6,16.7) 58.93,15.03 50.3,15.03 49.7,14.43 49.7,8.36 49.5,8.16 J1.26
LCD_D10: length 24.5
  TOP w0.203: v1(58,16.8) 57.99,16.8 U1.54
  BOTTOM w0.203: J1.25 49,8.17 49.3,8.47 49.3,14.66 50.03,15.39 58.65,15.39 59.9,16.64 59.9,17.2 59.5,17.6 58.8,17.6 v1(58,16.8)
LCD_D11: length 21.6
  TOP w0.203: v1(59.2,16.8) 59.27,16.86 U1.55
  BOTTOM w0.203: J1.24 48.5,8.17 48.86,8.52 48.86,14.85 49.75,15.74 58.14,15.74 v1(59.2,16.8)
LCD_D12: length 18.4
  TOP w0.203: v1(55.5,16.8) 55.5,18.44 U1.52
  BOTTOM w0.203: J1.23 48,8.17 48.5,8.67 48.5,15 49.6,16.1 54.8,16.1 v1(55.5,16.8)
LCD_D13: length 17.6
  TOP w0.203: v1(54.2,16.8) 54.2,18.47 U1.51
  BOTTOM w0.203: v1(54.2,16.8) 49.7,16.8 48.1,15.2 48.1,8.77 47.5,8.17 J1.22
LCD_D14: length 17.1
  TOP w0.203: v1(42.8,16.9) 42.8,18.44 42.76,18.48
  BOTTOM w0.203: J1.21 47,8.18 47.74,8.92 47.74,15.46 45.69,17.51 43.41,17.51 v1(42.8,16.9)
LCD_D15: length 13.4
  TOP w0.203: U1.44 45.3,18.48 v1(45.3,16.9)
  BOTTOM w0.203: v1(45.3,16.9) 47.39,14.81 47.39,9.07 46.5,8.18 J1.20
LCD_D16: length 23.8
  TOP w0.203: v1(50.9,3.86) 48.64,3.86 48.3,4.2 48.3,12.2 44.02,16.48 U1.43
  BOTTOM w0.203: v1(50.9,3.86) 50.94,3.9 53.2,3.9 54,4.7 J1.35
LCD_D17: length 14.8
  TOP w0.203: v1(53.5,12) 53.5,15.3 54.3,16.1 55.84,16.1 56.7,16.96 56.7,18.46 U1.53
  BOTTOM w0.203: v1(53.5,12) 53.5,11.34 53,10.84 53,8 53.5,7.5 J1.34
LCD_D18: length 18.8
  TOP w0.203: v1(50.9,4.6) 50.9,11.1 47.84,14.16 U1.46
  BOTTOM w0.203: v1(50.9,4.6) 52.7,4.6 53,4.9 J1.33
LCD_D19: length 13.2
  TOP w0.203: U1.48 50.38,15.72 51.11,14.99 51.11,13.39 52.7,11.8 v1(52.7,11.4)
  BOTTOM w0.203: v1(52.7,11.4) 52.5,11.2 J1.32
LCD_D20: length 20.1
  TOP w0.203: v1(55.6,14.3) 60.4,14.3 63.1,17 63.1,18.46 U1.58
  BOTTOM w0.203: J1.31 52,11.6 54.7,14.3 v1(55.6,14.3)
LCD_D21: length 16.8
  TOP w0.203: v1(50.5,14.12) 49.1,15.51 49.1,18.48
  BOTTOM w0.203: J1.30 51.5,11.7 53.3,13.5 53.3,14.2 52.86,14.64 51.02,14.64 v1(50.5,14.12)
LCD_D22: length 13
  TOP w0.203: v1(52.6,13.9) 52.8,14.1 52.8,18.37 U1.50
  BOTTOM w0.203: v1(52.6,13.9) 52.41,13.71 52.41,13.65 51,12.24 J1.29
LCD_D23: length 12.8
  TOP w0.203: U1.49 51.65,14.05 v1(51.8,13.9)
  BOTTOM w0.203: v1(51.8,13.9) 50.5,12.6 J1.28
LCD_DOTCLK: length 20.4
  TOP w0.254: v1(55.3,9.6) 62.7,9.6 64.34,11.24 U1.59
  BOTTOM w0.254: v1(55.3,9.6) 55,9.3 J1.37
LCD_ENABLE: length 25.3
  TOP w0.203: v1(49,4.6) 49,12.3 46.56,14.73 U1.45
  BOTTOM w0.203: v1(49,4.6) 48.2,3.8 43.3,3.8 42.6,4.5 v1(41,4.5) J1.9
LCD_HSYNC: length 16.6
  TOP w0.203: v1(33.16,15.9) 32.2,15.9 31.32,16.77 U1.33
  BOTTOM w0.203: R61.2 43.08,12.88 42.08,12.88 40.76,14.2 37.96,14.2 37.95,14.19 37.45,14.19 37.44,14.2 34.2,14.2 33.2,15.2 33.2,15.86 v1(33.16,15.9)
LCD_MODE: length 11.9
  TOP w0.203: v1(39.4,13.1) 39.4,5.3 v1(40.2,4.5)
  BOTTOM w0.203: J1.8 40.5,4.86 40.2,4.56 v1(40.2,4.5)
  BOTTOM w0.3: v1(39.4,13.1) R21.1
LCD_VSYNC: length 15.8
  TOP w0.203: v1(33.4,16.8) 32.59,17.61 U1.34
  BOTTOM w0.203: R60.2 40.66,13.8 33.4,13.8 32.5,14.7 32.5,16.5 32.7,16.7 33.3,16.7 v1(33.4,16.8)
LOUT2: length 5.1
  TOP w0.254: U14.25 89.5,49.8
  TOP w0.508: 89.5,49.8 89.53,49.8 J12.2
LRADC2: length 58.2
  TOP w0.254: U1.82 v1(69.36,46.74) ; J2.1 v1(89.4,8.3)
  BOTTOM w0.254: v1(69.36,46.74) 69.46,46.74 71.2,45 71.2,40.5 76.58,35.12 86.01,35.12 88.1,33.02 88.1,9.6 v1(89.4,8.3) 89.4,7.16 C15.2
LRADC3: length 57.6
  TOP w0.254: J2.2 v1(88.4,8.3) ; U1.81 v1(69.37,45.47)
  BOTTOM w0.254: v1(69.37,45.47) 69.43,45.47 70.79,44.11 70.79,40.33 76.41,34.71 85.84,34.71 87.5,33.05 87.5,9.2 v1(88.4,8.3) 88.4,6.66 C14.2 88.6,7.74
LRADC4: length 54.6
  TOP w0.254: J2.3 v1(87.4,8.3) ; U1.80 v1(69.3,44.2)
  BOTTOM w0.254: C13.2 87.4,6.76 v1(87.4,8.3) 87.01,8.69 87.01,32.97 85.67,34.31 76.24,34.31 70.39,40.16 70.39,43.11 v1(69.3,44.2)
LRADC5: length 53.1
  TOP w0.254: J2.4 v1(86.4,8.3) ; U1.79 v1(69.3,42.93)
  BOTTOM w0.254: C12.2 86.4,7.26 v1(86.4,8.3) 86.4,33 85.5,33.9 76.08,33.9 69.98,39.99 69.98,42.3 69.35,42.93 v1(69.3,42.93)
PSWITCH: length 22.6
  TOP w0.254: v1(77.5,62.7) 71.4,62.7 70.3,61.6 70.3,51 69.85,50.55 U1.85
  BOTTOM w0.254: v1(77.5,62.7) R59.1
PWM_AUDIO: length 48.6
  TOP w0.254: v1(81.1,32.5) 83.9,35.3 94.9,35.3 96.8,37.2 v1(96.8,45.4) ; U1.66 v1(68.92,26.42)
  BOTTOM w0.254: v1(81.1,32.5) 81.1,27.1 80.42,26.42 v1(68.92,26.42) ; v1(96.8,45.4) 96.6,45.4 95.66,46.34 C54.2 95.59,47.87 C51.2
RESETN: length 22.7
  TOP w0.203: U1.89 v1(68.77,55.63)
  BOTTOM w0.203: R57.1 70.1,70.3 67.5,67.7 67.5,56.9 v1(68.77,55.63)
ROUT2: length 3.8
  TOP w0.254: 90.15,48.55 U14.23
  TOP w0.508: 90.15,48.55 90.82,48.55 J12.1
SAIF0_BITCLK: length 24.4
  TOP w0.254: U1.73 70.29,35.31 71.89,36.91 80.61,36.91 v1(83.3,39.6) ; U14.8 83.75,45.55 v1(83.3,45.1)
  BOTTOM w0.254: v1(83.3,39.6) v1(83.3,45.1)
SAIF0_LRCLK: length 28.3
  TOP w0.203: v1(83.3,37.2) 82.2,36.1 72.4,36.1 69.07,32.77 U1.71
  TOP w0.254: U14.7 83.15,46.05 v1(82.6,45.5)
  BOTTOM w0.254: v1(82.6,45.5) 82.6,37.9 v1(83.3,37.2)
SAIF0_MCLK: length 25.3
  TOP w0.254: U14.11 85.85,41.05 81.3,36.5 72.1,36.5 69.64,34.04 U1.72
SAIF0_SDATA0: length 26.3
  TOP w0.254: v1(84.2,42.8) 79.25,37.85 U1.75 ; v1(84.2,40.4) 85.35,41.55 U14.10
  BOTTOM w0.203: v1(84.2,40.4) v1(84.2,42.8)
SAIF0_SDATA1: length 22.6
  TOP w0.254: U1.74 70.98,36.58 71.79,37.39 80.09,37.39 84.85,42.15 U14.9
SD0_CLK: length 24.2
  TOP w0.203: v1(17.7,18.2) 18.4,18.9 23.1,18.9 23.89,19.69 23.89,30.59 24.8,31.5 U1.21
  BOTTOM w0.203: U9.5 17.7,15.48 v1(17.7,18.2)
SD0_CMD: length 23.9
  TOP w0.203: U1.24 25.59,27.69 25,27.1 25,18.3 23.91,17.21 18.51,17.21 v1(15.4,14.1)
  BOTTOM w0.203: U9.3 15.4,15.38 v1(15.4,14.1)
SD0_DATA0: length 21
  TOP w0.203: v1(19.85,18.25) 23.45,18.25 24.24,19.04 24.24,29.04 25.43,30.23 U1.22
  BOTTOM w0.203: v1(19.85,18.25) 19.85,15.43 U9.7
SD0_DATA1: length 13.6
  TOP w0.203: U1.27 25.98,23.88 25.4,23.3 25.4,18 24,16.6 v1(20.9,16.6)
  BOTTOM w0.203: v1(20.9,16.6) 20.9,15.46 U9.8
SD0_DATA2: length 19.5
  TOP w0.203: v1(13.4,14.1) 14.1,13.4 15.9,13.4 18.4,15.9 24.3,15.9 25.8,17.4 25.8,19.6 26.27,20.07 U1.30
  BOTTOM w0.203: v1(13.4,14.1) 13.24,14.26 U9.1
